# KiCad board fjol-daisy.kicad_pcb
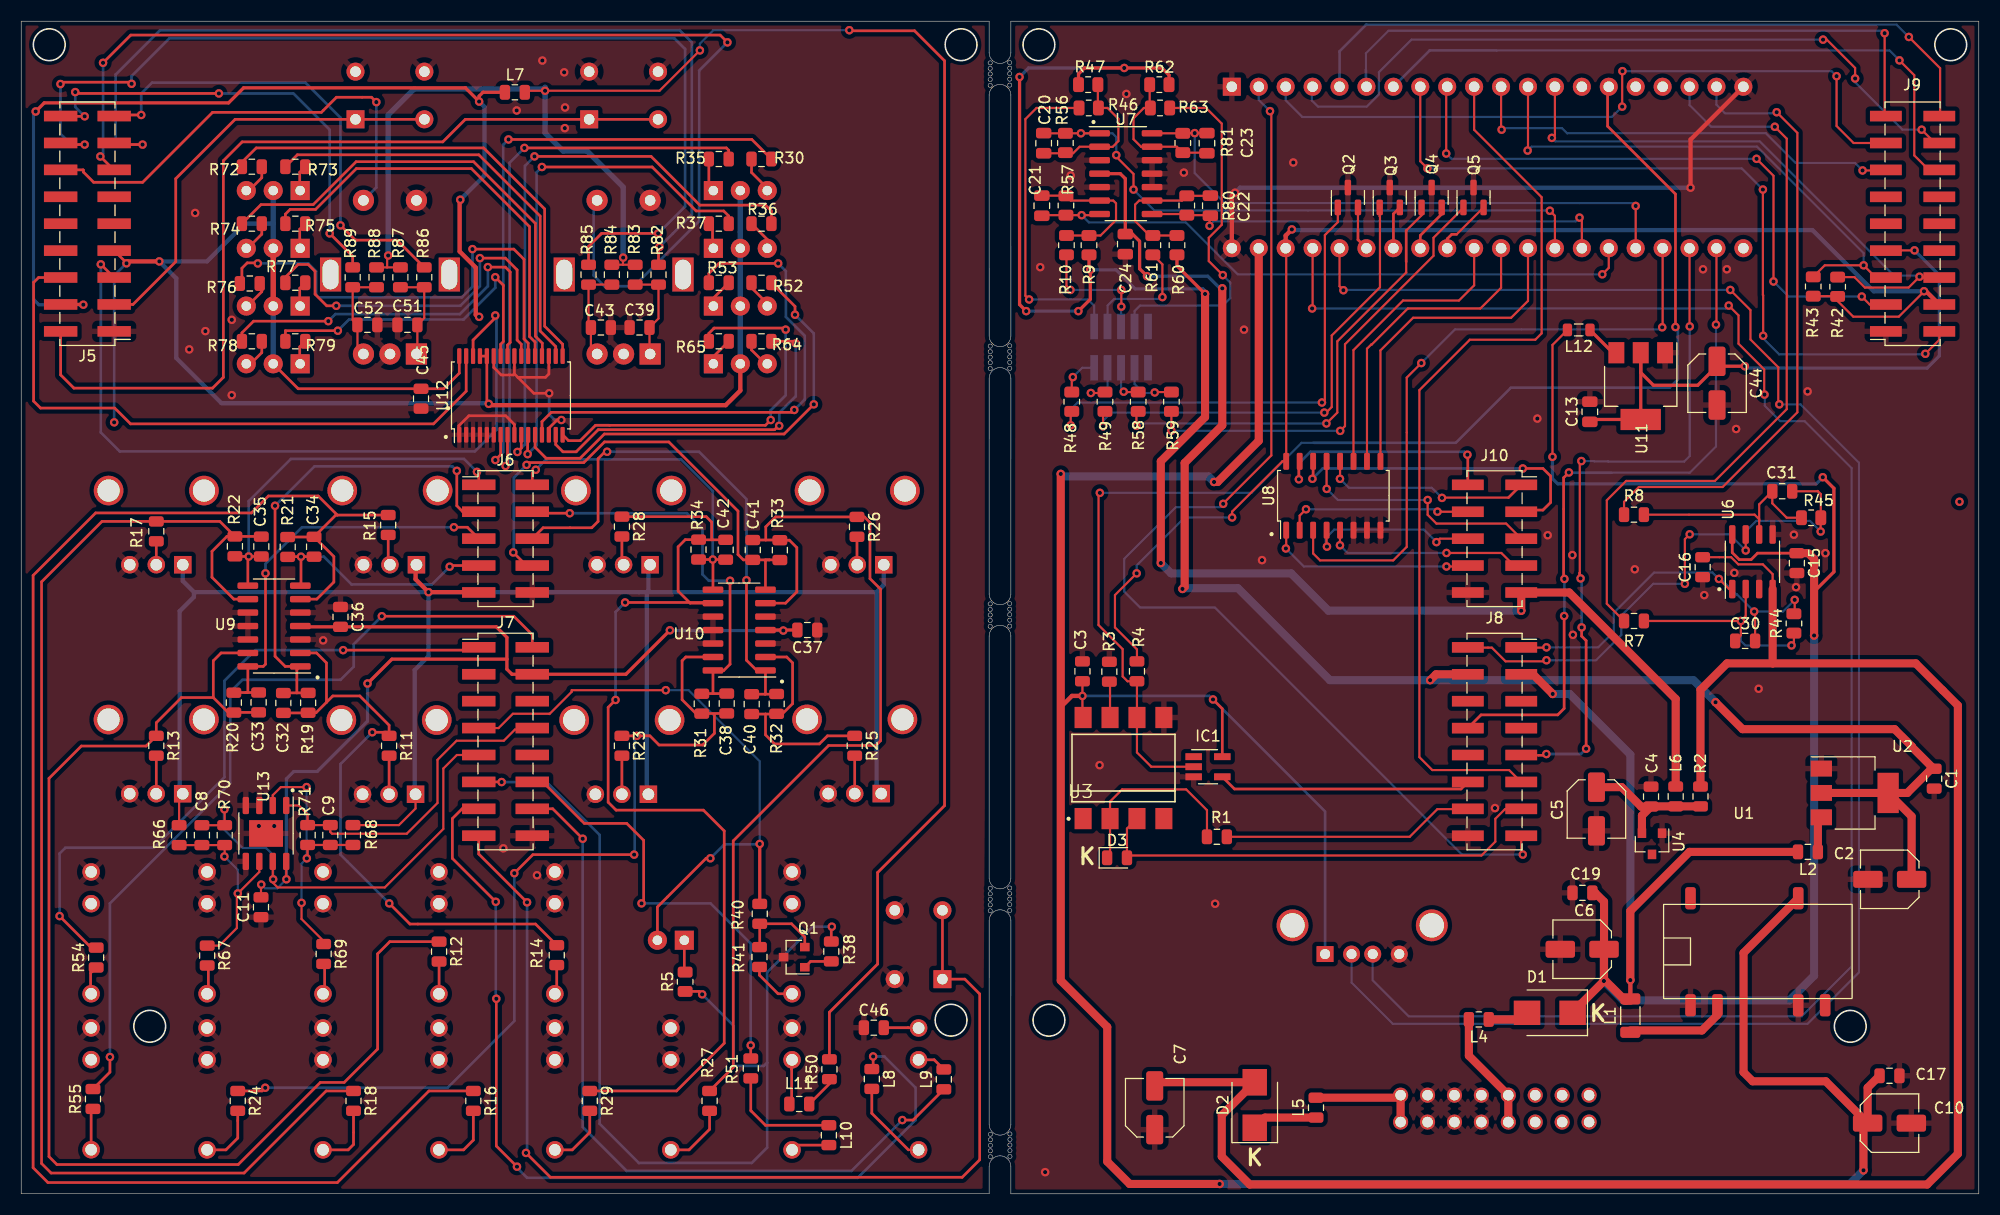
[diagram p0: board, top side]
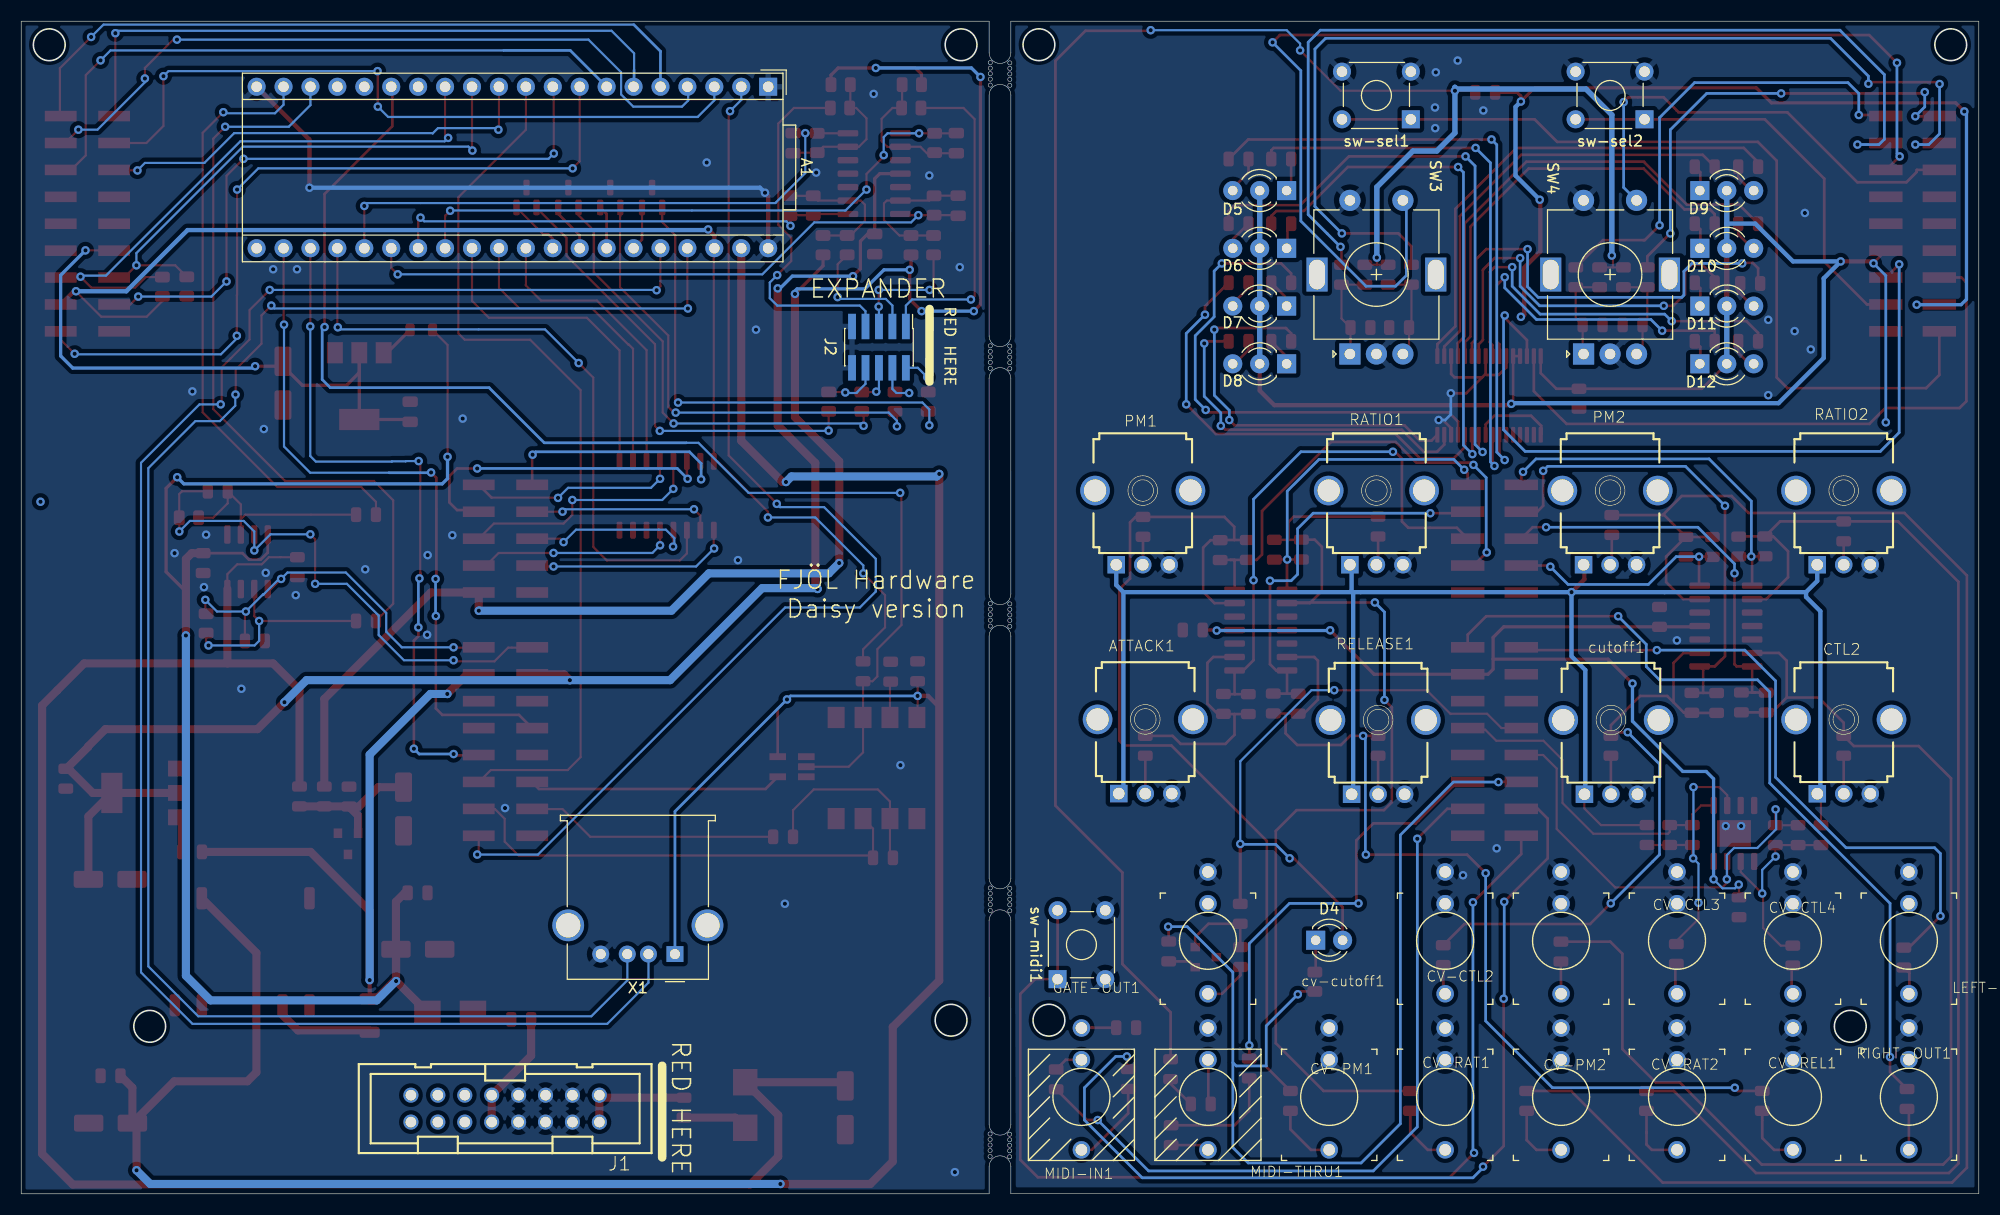
[diagram p1: board, bottom side, seen from below]

Outline 184.68 x 110.67 mm; copper layers: Top, Bottom. Coordinates in mm from the lower left corner of the outline.
Outline path: circle c2.65,108.45 r1.5 ; circle c12.12,15.81 r1.5 ; circle c87.72,16.39 r1.5 ; circle c88.67,108.45 r1.5 ; circle c91.41,106.74 r0.2 ; circle c91.41,106.21 r0.2 ; circle c91.41,105.69 r0.2 ; circle c91.41,105.17 r0.2 ; circle c91.41,104.61 r0.2 ; circle c91.41,55.68 r0.2 ; circle c91.41,55.15 r0.2 ; circle c91.41,54.63 r0.2 ; circle c91.41,54.11 r0.2 ; circle c91.41,53.55 r0.2 ; circle c91.42,80.01 r0.2 ; circle c91.42,79.48 r0.2 ; circle c91.42,78.96 r0.2 ; circle c91.42,78.44 r0.2 ; circle c91.42,77.88 r0.2 ; circle c91.42,28.84 r0.2 ; circle c91.42,28.31 r0.2 ; circle c91.42,27.79 r0.2 ; circle c91.42,27.27 r0.2 ; circle c91.42,26.71 r0.2 ; circle c91.43,5.62 r0.2 ; circle c91.43,5.1 r0.2 ; circle c91.43,4.58 r0.2 ; circle c91.43,4.06 r0.2 ; circle c91.43,3.5 r0.2 ; circle c93.25,106.76 r0.2 ; circle c93.25,106.24 r0.2 ; circle c93.25,105.72 r0.2 ; circle c93.25,105.2 r0.2 ; circle c93.25,104.64 r0.2 ; circle c93.25,55.7 r0.2 ; circle c93.25,55.18 r0.2 ; circle c93.25,54.66 r0.2 ; circle c93.25,54.14 r0.2 ; circle c93.25,53.58 r0.2 ; circle c93.26,80.03 r0.2 ; circle c93.26,79.51 r0.2 ; circle c93.26,78.99 r0.2 ; circle c93.26,78.47 r0.2 ; circle c93.26,77.91 r0.2 ; circle c93.26,28.86 r0.2 ; circle c93.26,28.34 r0.2 ; circle c93.26,27.82 r0.2 ; circle c93.26,27.3 r0.2 ; circle c93.26,26.74 r0.2 ; circle c93.27,5.65 r0.2 ; circle c93.27,5.13 r0.2 ; circle c93.27,4.61 r0.2 ; circle c93.27,4.09 r0.2 ; circle c93.27,3.53 r0.2 ; circle c96.01,108.45 r1.5 ; circle c96.95,16.38 r1.5 ; circle c172.55,15.81 r1.5 ; circle c182.03,108.45 r1.5 ; 0,110.67 0,0 91.31,0 91.31,2.59 arc(92.34,3.59) 93.36,2.58 93.36,0 184.68,0 184.68,110.67 93.36,110.67 93.36,107.68 arc(92.34,106.68) 91.31,107.69 91.31,110.67 0,110.67 ; 91.31,103.72 91.32,80.96 arc(92.34,79.95) 93.37,80.95 93.36,103.71 arc(92.34,104.71) 91.31,103.72 ; 91.31,56.6 91.32,76.99 arc(92.34,77.98) 93.37,76.98 93.36,56.59 arc(92.34,55.6) 91.31,56.6 ; 91.31,52.64 91.31,29.77 arc(92.34,28.78) 93.36,29.79 93.36,52.65 arc(92.33,53.66) 91.31,52.64 ; 91.32,25.82 91.31,6.53 arc(92.34,5.54) 93.36,6.52 93.37,25.81 arc(92.34,26.81) 91.32,25.82
Stack: Top 0.035mm / dielectric 1.51mm FR4 er 4.5 / Bottom 0.035mm

## Placement (name value [footprint] x y rotation side)
A1  Device_Audio_Electrosmith_Daisy_Seed_Rev4  [Device_Audio_Electrosmith_Daisy_Seed]  114.21 104.48 270 bottom
ATTACK1  50k-lin  [9MM_SNAP-IN_POT]  78.63 44.77 180 bottom
C1  100n  [C_0805_2012Metric]  180.47 39.18 270 top
C2  100u  [C_Elec_5x5.8]  176.28 29.68 180 top
C3  100n  [C_0805_2012Metric]  100.11 49.31 90 top
C4  100n  [C_0805_2012Metric]  153.75 37.49 90 top
C5  100u  [C_Elec_5x5.8]  148.61 36.32 270 top
C6  22u  [C_Elec_5x5.8]  147.26 23.08 180 top
C7  22u  [C_Elec_5x5.8]  106.93 8.12 90 top
C8  1n  [C_0805_2012Metric]  17.05 33.85 270 top
C9  1n  [C_0805_2012Metric]  29.16 33.86 270 top
C10  22u  [C_Elec_5x5.8]  176.25 6.67 0 top
C11  100n  [C_0805_2012Metric]  22.62 27.05 90 top
C13  100n  [C_0805_2012Metric#2]  147.98 73.81 90 top
C15  100n  [C_0805_2012Metric]  167.51 59.53 270 top
C16  100n  [C_0805_2012Metric]  158.62 59.14 90 top
C17  100n  [C_0805_2012Metric]  176.25 11.14 0 top
C19  100n  [C_0805_2012Metric]  147.28 28.41 180 top
C20  1n  [C_0805_2012Metric#2]  96.46 99.16 270 top
C21  1n  [C_0805_2012Metric#2]  96.28 93.26 90 top
C22  1n  [C_0805_2012Metric#2]  112.18 93.26 90 top
C23  1n  [C_0805_2012Metric#2]  111.86 99.16 270 top
C24  100n  [C_0805_2012Metric#2]  104.16 89.63 90 top
C30  100p  [C_0805_2012Metric]  162.63 52.18 180 top
C31  100p  [C_0805_2012Metric]  166.13 66.31 180 top
C32  1n  [C_0805_2012Metric]  24.73 46.32 270 top
C33  1n  [C_0805_2012Metric]  22.4 46.37 270 top
C34  1n  [C_0805_2012Metric]  27.63 61.07 90 top
C35  1n  [C_0805_2012Metric]  22.65 61.09 90 top
C36  100n  [C_0805_2012Metric]  30.12 54.45 270 top
C37  100n  [C_0805_2012Metric]  74.16 53.21 180 top
C38  1n  [C_0805_2012Metric]  66.56 46.27 270 top
C39  100n  [C_0805_2012Metric]  58.33 81.76 0 top
C40  1n  [C_0805_2012Metric]  68.91 46.22 270 top
C41  1n  [C_0805_2012Metric]  69.01 60.77 90 top
C42  1n  [C_0805_2012Metric]  66.46 60.78 90 top
C43  100n  [C_0805_2012Metric]  54.68 81.76 180 top
C44  100u  [C_Elec_5x5.8]  159.98 76.51 270 top
C45  100n  [C_0805_2012Metric]  37.72 75.05 270 top
C46  100n  [C_0805_2012Metric]  80.43 15.68 0 top
C51  100n  [C_0805_2012Metric]  36.43 82.01 0 top
C52  100n  [C_0805_2012Metric]  32.66 82.01 180 top
CTL2  50k-lin  [9MM_SNAP-IN_POT]  12.74 44.76 180 bottom
cutoff1  50k-lin  [9MM_SNAP-IN_POT]  34.7 44.71 180 bottom
CV-CTL2  THONKICONNNEW  [WQP-PJ301M-12_JACK]  39.41 23.88 0 bottom
CV-CTL3  THONKICONNNEW  [WQP-PJ301M-12_JACK]  28.47 23.88 0 bottom
CV-CTL4  THONKICONNNEW  [WQP-PJ301M-12_JACK]  17.53 23.88 0 bottom
cv-cutoff1  THONKICONNNEW  [WQP-PJ301M-12_JACK]  50.35 23.88 0 bottom
CV-PM1  THONKICONNNEW  [WQP-PJ301M-12_JACK]  61.28 9.15 0 bottom
CV-PM2  THONKICONNNEW  [WQP-PJ301M-12_JACK]  39.41 9.15 0 bottom
CV-RAT1  THONKICONNNEW  [WQP-PJ301M-12_JACK]  50.35 9.15 0 bottom
CV-RAT2  THONKICONNNEW  [WQP-PJ301M-12_JACK]  28.47 9.15 0 bottom
CV-REL1  THONKICONNNEW  [WQP-PJ301M-12_JACK]  17.53 9.15 0 bottom
D1  STPS1L30U  [D_SMB]  144.21 17.08 180 top
D2  STPS1L30U  [D_SMB]  116.37 8.38 90 top
D3  1N4148  [D_0805_2012Metric]  103.38 31.71 0 top
D4  LED  [LED_D3.0mm]  62.56 23.93 180 bottom
D5  LED_Dual_KAK  [LED_D3.0mm-3]  65.3 94.69 0 bottom
D6  LED_Dual_KAK  [LED_D3.0mm-3]  65.3 89.24 0 bottom
D7  LED_Dual_KAK  [LED_D3.0mm-3]  65.3 83.79 0 bottom
D8  LED_Dual_KAK  [LED_D3.0mm-3]  65.3 78.34 0 bottom
D9  LED_Dual_KAK  [LED_D3.0mm-3]  26.32 94.69 180 bottom
D10  LED_Dual_KAK  [LED_D3.0mm-3]  26.32 89.24 180 bottom
D11  LED_Dual_KAK  [LED_D3.0mm-3]  26.32 83.79 180 bottom
D12  LED_Dual_KAK  [LED_D3.0mm-3]  26.32 78.34 180 bottom
GATE-OUT1  THONKICONNNEW  [WQP-PJ301M-12_JACK]  72.72 23.88 0 bottom
IC1  741G17DBV  [SOT-23-5_HandSoldering]  111.96 40.31 0 top
J1  Conn_02x08_Odd_Even  [con-3m-PAK100_2500-16]  139.02 8.04 0 bottom
J2  Conn_02x05_Odd_Even  [PinHeader_2x05_P1.27mm_Vertical_SMD]  103.76 79.91 270 bottom
J5  Conn_01x18_Male  [PinHeader_2x09_P2.54mm_Vertical_SMD]  6.25 91.56 180 top
J6  Conn_01x10_Male  [PinHeader_2x05_P2.54mm_Vertical_SMD]  45.69 61.84 0 top
J7  Conn_01x16_Male  [PinHeader_2x08_P2.54mm_Vertical_SMD]  45.69 42.69 0 top
J8  Conn_01x16_Female  [PinSocket_2x08_P2.54mm_Vertical_SMD]  138.99 42.68 0 top
J9  Conn_01x18_Female  [PinSocket_2x09_P2.54mm_Vertical_SMD]  178.43 91.56 180 top
J10  Conn_01x10_Female  [PinSocket_2x05_P2.54mm_Vertical_SMD]  138.99 61.83 0 top
L1  33u  [L_1206_3216Metric]  151.8 16.82 90 top
L2  33u  [L_0805_2012Metric]  168.56 32.27 180 top
L4  BLM21PG221SN1D  [L_0805_2012Metric]  137.51 16.46 180 top
L5  BLM21PG221SN1D  [L_0805_2012Metric]  122.15 8.13 90 top
L6  33u  [L_0805_2012Metric]  156.08 37.5 90 top
L7  BLM21PG221SN1D  [L_0805_2012Metric]  46.57 103.96 0 top
L8  BLM21AG102SN1D  [L_0805_2012Metric]  80.24 10.84 270 top
L9  BLM21AG102SN1D  [L_0805_2012Metric]  87.04 10.8 90 top
L10  BLM21AG102SN1D  [L_0805_2012Metric]  76.19 5.53 270 top
L11  BLM21AG102SN1D  [L_0805_2012Metric]  73.4 8.48 180 top
L12  33u  [L_0805_2012Metric#2]  146.93 81.53 180 top
LEFT-OUT1  THONKICONNNEW  [WQP-PJ301M-12_JACK]  6.6 23.88 0 bottom
MIDI-IN1  THONKI-STEREO  [WQP-PJ366ST_JACK]  84.66 9.15 0 bottom
MIDI-THRU1  THONKI-STEREO  [WQP-PJ366ST_JACK]  72.72 9.15 0 bottom
PM1  50k-lin  [9MM_SNAP-IN_POT]  78.87 66.37 180 bottom
PM2  50k-lin  [9MM_SNAP-IN_POT]  34.79 66.37 180 bottom
Q1  BC847  [SOT-23]  72.92 22.34 180 top
Q2  BC847  [SOT-23#2]  125.16 94.03 90 top
Q3  BC847  [SOT-23#2]  129.11 94.03 90 top
Q4  BC847  [SOT-23#2]  133.06 94.03 90 top
Q5  BC847  [SOT-23#2]  137.01 94.03 90 top
R1  220  [R_0805_2012Metric]  112.8 33.69 0 top
R2  1k  [R_0805_2012Metric]  158.42 37.5 270 top
R3  1k  [R_0805_2012Metric]  102.65 49.28 270 top
R4  470  [R_0805_2012Metric]  105.26 49.31 90 top
R5  1k  [R_0805_2012Metric#2]  62.63 20.01 90 top
R7  47k  [R_0805_2012Metric]  152.15 54.06 0 top
R8  47k  [R_0805_2012Metric]  152.15 64.1 0 top
R9  140k 1%  [R_0805_2012Metric#2]  100.73 89.53 270 top
R10  100k 1%  [R_0805_2012Metric#2]  98.61 89.53 270 top
R11  200k  [R_0805_2012Metric]  34.71 42.28 270 top
R12  100k  [R_0805_2012Metric]  39.42 22.86 270 top
R13  200k  [R_0805_2012Metric]  12.74 42.28 270 top
R14  100k  [R_0805_2012Metric]  50.52 22.52 270 top
R15  200k  [R_0805_2012Metric]  34.62 63.12 270 top
R16  100k  [R_0805_2012Metric]  42.65 8.77 270 top
R17  200k  [R_0805_2012Metric]  12.74 62.52 270 top
R18  100k  [R_0805_2012Metric]  31.35 8.77 270 top
R19  66.5k  [R_0805_2012Metric]  27.07 46.34 270 top
R20  66.5k  [R_0805_2012Metric]  20.06 46.36 270 top
R21  66.5k  [R_0805_2012Metric]  25.14 61.05 90 top
R22  66.5k  [R_0805_2012Metric]  20.16 61.11 90 top
R23  200k  [R_0805_2012Metric]  56.67 42.28 270 top
R24  100k  [R_0805_2012Metric]  20.43 8.77 270 top
R25  200k  [R_0805_2012Metric]  78.63 42.28 270 top
R26  200k  [R_0805_2012Metric]  78.85 62.95 270 top
R27  100k  [R_0805_2012Metric]  64.94 8.77 270 top
R28  200k  [R_0805_2012Metric]  56.67 62.97 270 top
R29  100k  [R_0805_2012Metric]  53.64 8.77 270 top
R30  100  [R_0805_2012Metric]  69.83 97.66 0 top
R31  66.5k  [R_0805_2012Metric]  64.2 46.25 270 top
R32  66.5k  [R_0805_2012Metric]  71.27 46.24 270 top
R33  66.5k  [R_0805_2012Metric]  71.57 60.75 90 top
R34  66.5k  [R_0805_2012Metric]  63.9 60.8 90 top
R35  100  [R_0805_2012Metric]  65.81 97.66 0 top
R36  100  [R_0805_2012Metric]  69.83 91.56 0 top
R37  100  [R_0805_2012Metric]  65.81 91.56 0 top
R38  1k  [R_0805_2012Metric]  76.42 22.87 90 top
R40  10k  [R_0805_2012Metric]  69.67 26.42 90 top
R41  1k  [R_0805_2012Metric]  69.65 22.35 90 top
R42  10k  [R_0805_2012Metric#2]  171.36 85.61 90 top
R43  10k  [R_0805_2012Metric#2]  169.06 85.63 270 top
R44  100k  [R_0805_2012Metric#2]  167.23 53.83 90 top
R45  100k  [R_0805_2012Metric#2]  168.86 63.81 0 top
R46  100k 1%  [R_0805_2012Metric#2]  100.71 102.48 180 top
R47  140k 1%  [R_0805_2012Metric#2]  100.66 104.68 180 top
R48  10k  [R_0805_2012Metric#2]  99.11 74.76 270 top
R49  10k  [R_0805_2012Metric#2]  102.24 74.76 270 top
R50  33  [R_0805_2012Metric]  76.24 11.75 90 top
R51  10  [R_0805_2012Metric]  68.83 11.83 90 top
R52  100  [R_0805_2012Metric]  69.83 85.99 0 top
R53  100  [R_0805_2012Metric]  65.81 85.99 180 top
R54  1k  [R_0805_2012Metric]  7.07 22.3 90 top
R55  1k  [R_0805_2012Metric]  6.77 8.95 90 top
R56  33k 1%  [R_0805_2012Metric#2]  98.51 99.18 270 top
R57  33k 1%  [R_0805_2012Metric#2]  98.56 93.28 90 top
R58  10k  [R_0805_2012Metric#2]  105.37 74.76 270 top
R59  10k  [R_0805_2012Metric#2]  108.51 74.76 270 top
R60  140k 1%  [R_0805_2012Metric#2]  109.03 89.53 270 top
R61  100k 1%  [R_0805_2012Metric#2]  106.76 89.53 270 top
R62  140k 1%  [R_0805_2012Metric#2]  107.37 104.68 0 top
R63  100k 1%  [R_0805_2012Metric#2]  107.43 102.48 0 top
R64  100  [R_0805_2012Metric]  69.83 80.46 0 top
R65  100  [R_0805_2012Metric]  65.81 80.46 180 top
R66  200k  [R_0805_2012Metric]  14.9 33.85 90 top
R67  100k  [R_0805_2012Metric]  17.55 22.49 270 top
R68  200k  [R_0805_2012Metric]  31.3 33.86 90 top
R69  100k  [R_0805_2012Metric]  28.53 22.64 270 top
R70  66.5k  [R_0805_2012Metric]  19.2 33.85 270 top
R71  66.5k  [R_0805_2012Metric]  27.02 33.86 270 top
R72  100  [R_0805_2012Metric]  21.76 96.94 180 top
R73  100  [R_0805_2012Metric]  25.86 96.94 180 top
R74  100  [R_0805_2012Metric]  21.76 91.56 180 top
R75  100  [R_0805_2012Metric]  25.86 91.56 180 top
R76  100  [R_0805_2012Metric]  21.56 85.92 180 top
R77  100  [R_0805_2012Metric]  25.86 85.99 180 top
R78  100  [R_0805_2012Metric]  21.76 80.46 180 top
R79  100  [R_0805_2012Metric]  25.86 80.46 180 top
R80  33k 1%  [R_0805_2012Metric#2]  109.96 93.28 90 top
R81  33k 1%  [R_0805_2012Metric#2]  109.58 99.18 270 top
R82  10k  [R_0805_2012Metric]  60.12 86.75 90 top
R83  10k  [R_0805_2012Metric]  57.92 86.75 90 top
R84  10k  [R_0805_2012Metric]  55.72 86.75 90 top
R85  10k  [R_0805_2012Metric]  53.52 86.75 270 top
R86  10k  [R_0805_2012Metric]  38.02 86.5 90 top
R87  10k  [R_0805_2012Metric]  35.77 86.5 90 top
R88  10k  [R_0805_2012Metric]  33.52 86.5 90 top
R89  10k  [R_0805_2012Metric]  31.27 86.5 270 top
RATIO1  50k-lin  [9MM_SNAP-IN_POT]  56.83 66.37 180 bottom
RATIO2  50k-lin  [9MM_SNAP-IN_POT]  12.74 66.37 180 bottom
RELEASE1  50k-lin  [9MM_SNAP-IN_POT]  56.67 44.71 180 bottom
RIGHT-OUT1  THONKICONNNEW  [WQP-PJ301M-12_JACK]  6.6 9.16 0 bottom
SW3  ctl1  [RotaryEncoder_Alps_EC11E-Switch_Vertical_H20mm]  59.33 79.26 90 bottom
SW4  ctl2  [RotaryEncoder_Alps_EC11E-Switch_Vertical_H20mm]  37.29 79.26 90 bottom
sw-midi1  SW_MEC_5G  [SW_TH_Tactile_Omron_B3F-10xx]  86.91 20.26 90 bottom
sw-sel1  SW_MEC_5G  [SW_TH_Tactile_Omron_B3F-10xx]  53.58 101.41 0 bottom
sw-sel2  SW_MEC_5G  [SW_TH_Tactile_Omron_B3F-10xx]  31.54 101.41 0 bottom
U1  -  [PESE1]  162.56 22.87 0 top
U2  NCP1117-3.3_SOT223  [SOT-223-3_TabPin2]  172.97 37.83 0 top
U3  6N138  [DIL8-SMD]  103.99 40.18 0 top
U4  LM4040DBZ-10  [SOT-23]  153.85 33.03 270 top
U6  TL072  [SO-8_3.9x4.9mm_P1.27mm]  163.32 59.65 90 top
U7  MCP6004  [SOIC-14_3.9x8.7mm_P1.27mm]  104.21 96.28 0 top
U8  74HC4051D  [SOIC-16_4.55x10.3mm_P1.27mm]  123.78 65.88 90 top
U9  MCP6004  [SOIC-14_3.9x8.7mm_P1.27mm]  23.86 53.59 180 top
U10  MCP6004  [SOIC-14_3.9x8.7mm_P1.27mm]  67.73 53.2 180 top
U11  NCP1117-3.3_SOT223  [SOT-223-3_TabPin2]  152.78 76.23 270 top
U12  PCA9622  [TSSOP-32_6.1x11mm_P0.65mm]  46.2 75.35 90 top
U13  MCP6002  [SOIC-8-1EP_3.9x4.9mm_P1.27mm_EP2.514x3.2mm]  23.1 34.01 270 top
X1  KUSBVX  [USB_A_Molex_67643_Horizontal]  123 22.63 0 bottom

## Footprints (pads in the part's own frame, mm; a bottom-side part is the same pattern mirrored in y, then rotated)
9MM_SNAP-IN_POT
  rect 1.65x1.65 hole 1.1: 1(-2.5,-7)
  round 1.65 hole 1.1: 2(0,-7) 3(2.5,-7)
  round 2.794 hole 2.1: CHASSIS1(-4.5,0) CHASSIS2(4.5,0)
C_0805_2012Metric
  rrect 0.975x1.4 smd: 1(-0.938,0) 2(0.938,0)
C_0805_2012Metric#2
  rrect 1x1.45 smd: 1(-0.95,0) 2(0.95,0)
C_Elec_5x5.8
  rrect 2.775x1.6 smd: 1(-2.062,0) 2(2.062,0)
con-3m-PAK100_2500-16
  round 1.422 hole 0.998: 1(-8.89,-1.27) 2(-8.89,1.27) 3(-6.35,-1.27) 4(-6.35,1.27) 5(-3.81,-1.27) 6(-3.81,1.27) 7(-1.27,-1.27) 8(-1.27,1.27) 9(1.27,-1.27) 10(1.27,1.27) 11(3.81,-1.27) 12(3.81,1.27) 13(6.35,-1.27) 14(6.35,1.27) 15(8.89,-1.27) 16(8.89,1.27)
D_0805_2012Metric
  rrect 0.975x1.4 smd: 1(-0.938,0) 2(0.938,0)
D_SMB
  rect 2.5x2.3 smd: 1(-2.15,0) 2(2.15,0)
Device_Audio_Electrosmith_Daisy_Seed
  rect 1.7x1.7 hole 1: 1(0,0)
  round 1.7 hole 1: 2(0,-2.54) 3(0,-5.08) 4(0,-7.62) 5(0,-10.16) 6(0,-12.7) 7(0,-15.24) 8(0,-17.78) 9(0,-20.32) 10(0,-22.86) 11(0,-25.4) 12(0,-27.94) 13(0,-30.48) 14(0,-33.02) 15(0,-35.56) 16(0,-38.1) 17(0,-40.64) 18(0,-43.18) 19(0,-45.72) 20(0,-48.26) 21(15.24,-48.26) 22(15.24,-45.72) 23(15.24,-43.18) 24(15.24,-40.64) 25(15.24,-38.1) 26(15.24,-35.56) 27(15.24,-33.02) 28(15.24,-30.48) 29(15.24,-27.94) 30(15.24,-25.4) 31(15.24,-22.86) 32(15.24,-20.32) 33(15.24,-17.78) 34(15.24,-15.24) 35(15.24,-12.7) 36(15.24,-10.16) 37(15.24,-7.62) 38(15.24,-5.08) 39(15.24,-2.54) 40(15.24,0)
DIL8-SMD
  rect 1.6x2 smd: 1(-3.81,-4.77) 2(-1.27,-4.77) 3(1.27,-4.77) 4(3.81,-4.77) 5(3.81,4.77) 6(1.27,4.77) 7(-1.27,4.77) 8(-3.81,4.77)
L_0805_2012Metric
  rrect 0.975x1.4 smd: 1(-0.938,0) 2(0.938,0)
L_0805_2012Metric#2
  rrect 0.875x1.2 smd: 1(-1.062,0) 2(1.062,0)
L_1206_3216Metric
  rrect 1.05x1.9 smd: 1(-1.575,0) 2(1.575,0)
LED_D3.0mm
  rect 1.8x1.8 hole 0.9: 1(0,0)
  round 1.8 hole 0.9: 2(2.54,0)
LED_D3.0mm-3
  rect 1.8x1.8 hole 0.9: 1(0,0)
  round 1.8 hole 0.9: 2(2.54,0) 3(5.08,0)
PESE1
  rrect 1x2.1 smd: 1(-5.08,-5.08) 2(-2.54,-5.08) 4(5.08,-5.08) 5(7.62,-5.08) 7(5.08,5.02) 10(-5.08,5.02)
PinHeader_2x05_P1.27mm_Vertical_SMD
  rect 2.4x0.74 smd: 1(-1.95,2.54) 2(1.95,2.54) 3(-1.95,1.27) 4(1.95,1.27) 5(-1.95,0) 6(1.95,0) 7(-1.95,-1.27) 8(1.95,-1.27) 9(-1.95,-2.54) 10(1.95,-2.54)
PinHeader_2x05_P2.54mm_Vertical_SMD
  rect 3.15x1 smd: 1(-2.525,5.08) 2(2.525,5.08) 3(-2.525,2.54) 4(2.525,2.54) 5(-2.525,0) 6(2.525,0) 7(-2.525,-2.54) 8(2.525,-2.54) 9(-2.525,-5.08) 10(2.525,-5.08)
PinHeader_2x08_P2.54mm_Vertical_SMD
  rect 3.15x1 smd: 1(-2.525,8.89) 2(2.525,8.89) 3(-2.525,6.35) 4(2.525,6.35) 5(-2.525,3.81) 6(2.525,3.81) 7(-2.525,1.27) 8(2.525,1.27) 9(-2.525,-1.27) 10(2.525,-1.27) 11(-2.525,-3.81) 12(2.525,-3.81) 13(-2.525,-6.35) 14(2.525,-6.35) 15(-2.525,-8.89) 16(2.525,-8.89)
PinHeader_2x09_P2.54mm_Vertical_SMD
  rect 3.15x1 smd: 1(-2.525,10.16) 2(2.525,10.16) 3(-2.525,7.62) 4(2.525,7.62) 5(-2.525,5.08) 6(2.525,5.08) 7(-2.525,2.54) 8(2.525,2.54) 9(-2.525,0) 10(2.525,0) 11(-2.525,-2.54) 12(2.525,-2.54) 13(-2.525,-5.08) 14(2.525,-5.08) 15(-2.525,-7.62) 16(2.525,-7.62) 17(-2.525,-10.16) 18(2.525,-10.16)
PinSocket_2x05_P2.54mm_Vertical_SMD
  rect 3x1 smd: 1(2.52,5.08) 2(-2.52,5.08) 3(2.52,2.54) 4(-2.52,2.54) 5(2.52,0) 6(-2.52,0) 7(2.52,-2.54) 8(-2.52,-2.54) 9(2.52,-5.08) 10(-2.52,-5.08)
PinSocket_2x08_P2.54mm_Vertical_SMD
  rect 3x1 smd: 1(2.52,8.89) 2(-2.52,8.89) 3(2.52,6.35) 4(-2.52,6.35) 5(2.52,3.81) 6(-2.52,3.81) 7(2.52,1.27) 8(-2.52,1.27) 9(2.52,-1.27) 10(-2.52,-1.27) 11(2.52,-3.81) 12(-2.52,-3.81) 13(2.52,-6.35) 14(-2.52,-6.35) 15(2.52,-8.89) 16(-2.52,-8.89)
PinSocket_2x09_P2.54mm_Vertical_SMD
  rect 3x1 smd: 1(2.52,10.16) 2(-2.52,10.16) 3(2.52,7.62) 4(-2.52,7.62) 5(2.52,5.08) 6(-2.52,5.08) 7(2.52,2.54) 8(-2.52,2.54) 9(2.52,0) 10(-2.52,0) 11(2.52,-2.54) 12(-2.52,-2.54) 13(2.52,-5.08) 14(-2.52,-5.08) 15(2.52,-7.62) 16(-2.52,-7.62) 17(2.52,-10.16) 18(-2.52,-10.16)
R_0805_2012Metric
  rrect 0.975x1.4 smd: 1(-0.938,0) 2(0.938,0)
R_0805_2012Metric#2
  rrect 1.025x1.4 smd: 1(-0.912,0) 2(0.912,0)
RotaryEncoder_Alps_EC11E-Switch_Vertical_H20mm
  rect 2x2 hole 1: A(0,0)
  round 2 hole 1: B(0,-5) C(0,-2.5) S1(14.5,-5) S2(14.5,0)
  rect 3.2x2 hole 2.8x1.5: MP(7.5,-8.1) MP(7.5,3.1)
SO-8_3.9x4.9mm_P1.27mm
  rrect 1.75x0.6 smd: 1(-2.575,1.905) 2(-2.575,0.635) 3(-2.575,-0.635) 4(-2.575,-1.905) 5(2.575,-1.905) 6(2.575,-0.635) 7(2.575,0.635) 8(2.575,1.905)
SOIC-8-1EP_3.9x4.9mm_P1.27mm_EP2.514x3.2mm
  rrect 1.01x1.29 smd: (-0.63,0.8) (-0.63,-0.8) (0.63,0.8) (0.63,-0.8)
  rrect 1.625x0.6 smd: 1(-2.638,1.905) 2(-2.638,0.635) 3(-2.638,-0.635) 4(-2.638,-1.905) 5(2.638,-1.905) 6(2.638,-0.635) 7(2.638,0.635) 8(2.638,1.905)
  rect 2.514x3.2 smd: 9(0,0)
SOIC-14_3.9x8.7mm_P1.27mm
  rrect 1.95x0.6 smd: 1(-2.475,3.81) 2(-2.475,2.54) 3(-2.475,1.27) 4(-2.475,0) 5(-2.475,-1.27) 6(-2.475,-2.54) 7(-2.475,-3.81) 8(2.475,-3.81) 9(2.475,-2.54) 10(2.475,-1.27) 11(2.475,0) 12(2.475,1.27) 13(2.475,2.54) 14(2.475,3.81)
SOIC-16_4.55x10.3mm_P1.27mm
  rrect 1.6x0.55 smd: 1(-3.25,4.445) 2(-3.25,3.175) 3(-3.25,1.905) 4(-3.25,0.635) 5(-3.25,-0.635) 6(-3.25,-1.905) 7(-3.25,-3.175) 8(-3.25,-4.445) 9(3.25,-4.445) 10(3.25,-3.175) 11(3.25,-1.905) 12(3.25,-0.635) 13(3.25,0.635) 14(3.25,1.905) 15(3.25,3.175) 16(3.25,4.445)
SOT-23
  rect 0.9x0.8 smd: 1(-1,0.95) 2(-1,-0.95) 3(1,0)
SOT-23#2
  rrect 1.475x0.6 smd: 1(-0.938,0.95) 2(-0.938,-0.95) 3(0.938,0)
SOT-23-5_HandSoldering
  rect 1.56x0.65 smd: 1(-1.35,0.95) 2(-1.35,0) 3(-1.35,-0.95) 4(1.35,-0.95) 5(1.35,0.95)
SOT-223-3_TabPin2
  rect 2x1.5 smd: 1(-3.15,2.3) 2(-3.15,0) 3(-3.15,-2.3)
  rect 2x3.8 smd: 2(3.15,0)
SW_TH_Tactile_Omron_B3F-10xx
  rect 1.7x1.7 hole 1: 1(0,0)
  round 1.7 hole 1: 2(6.5,0) 3(0,-4.5) 4(6.5,-4.5)
TSSOP-32_6.1x11mm_P0.65mm
  rrect 1.475x0.4 smd: 1(-3.712,4.875) 2(-3.712,4.225) 3(-3.712,3.575) 4(-3.712,2.925) 5(-3.712,2.275) 6(-3.712,1.625) 7(-3.712,0.975) 8(-3.712,0.325) 9(-3.712,-0.325) 10(-3.712,-0.975) 11(-3.712,-1.625) 12(-3.712,-2.275) 13(-3.712,-2.925) 14(-3.712,-3.575) 15(-3.712,-4.225) 16(-3.712,-4.875) 17(3.712,-4.875) 18(3.712,-4.225) 19(3.712,-3.575) 20(3.712,-2.925) 21(3.712,-2.275) 22(3.712,-1.625) 23(3.712,-0.975) 24(3.712,-0.325) 25(3.712,0.325) 26(3.712,0.975) 27(3.712,1.625) 28(3.712,2.275) 29(3.712,2.925) 30(3.712,3.575) 31(3.712,4.225) 32(3.712,4.875)
USB_A_Molex_67643_Horizontal
  rect 1.6x1.5 hole 0.95: 1(0,0)
  round 1.6 hole 0.95: 2(2.5,0) 3(4.5,0) 4(7,0)
  round 3 hole 2.3: 5(-3.07,-2.71) 5(10.07,-2.71)
WQP-PJ301M-12_JACK
  round 1.65 hole 1.1: P$1_TIP(0,5) P$2_SWITCH(0,-3.5) P$3_SLEEVE(0,-6.5)
WQP-PJ366ST_JACK
  round 1.65 hole 1.1: P$1_TIP(0,5) P$2_SWITCH(0,-3.5) P$3_SLEEVE(0,-6.5)
